# KiCad board Zx50 Bus Probe_RevA.kicad_pcb (continued)
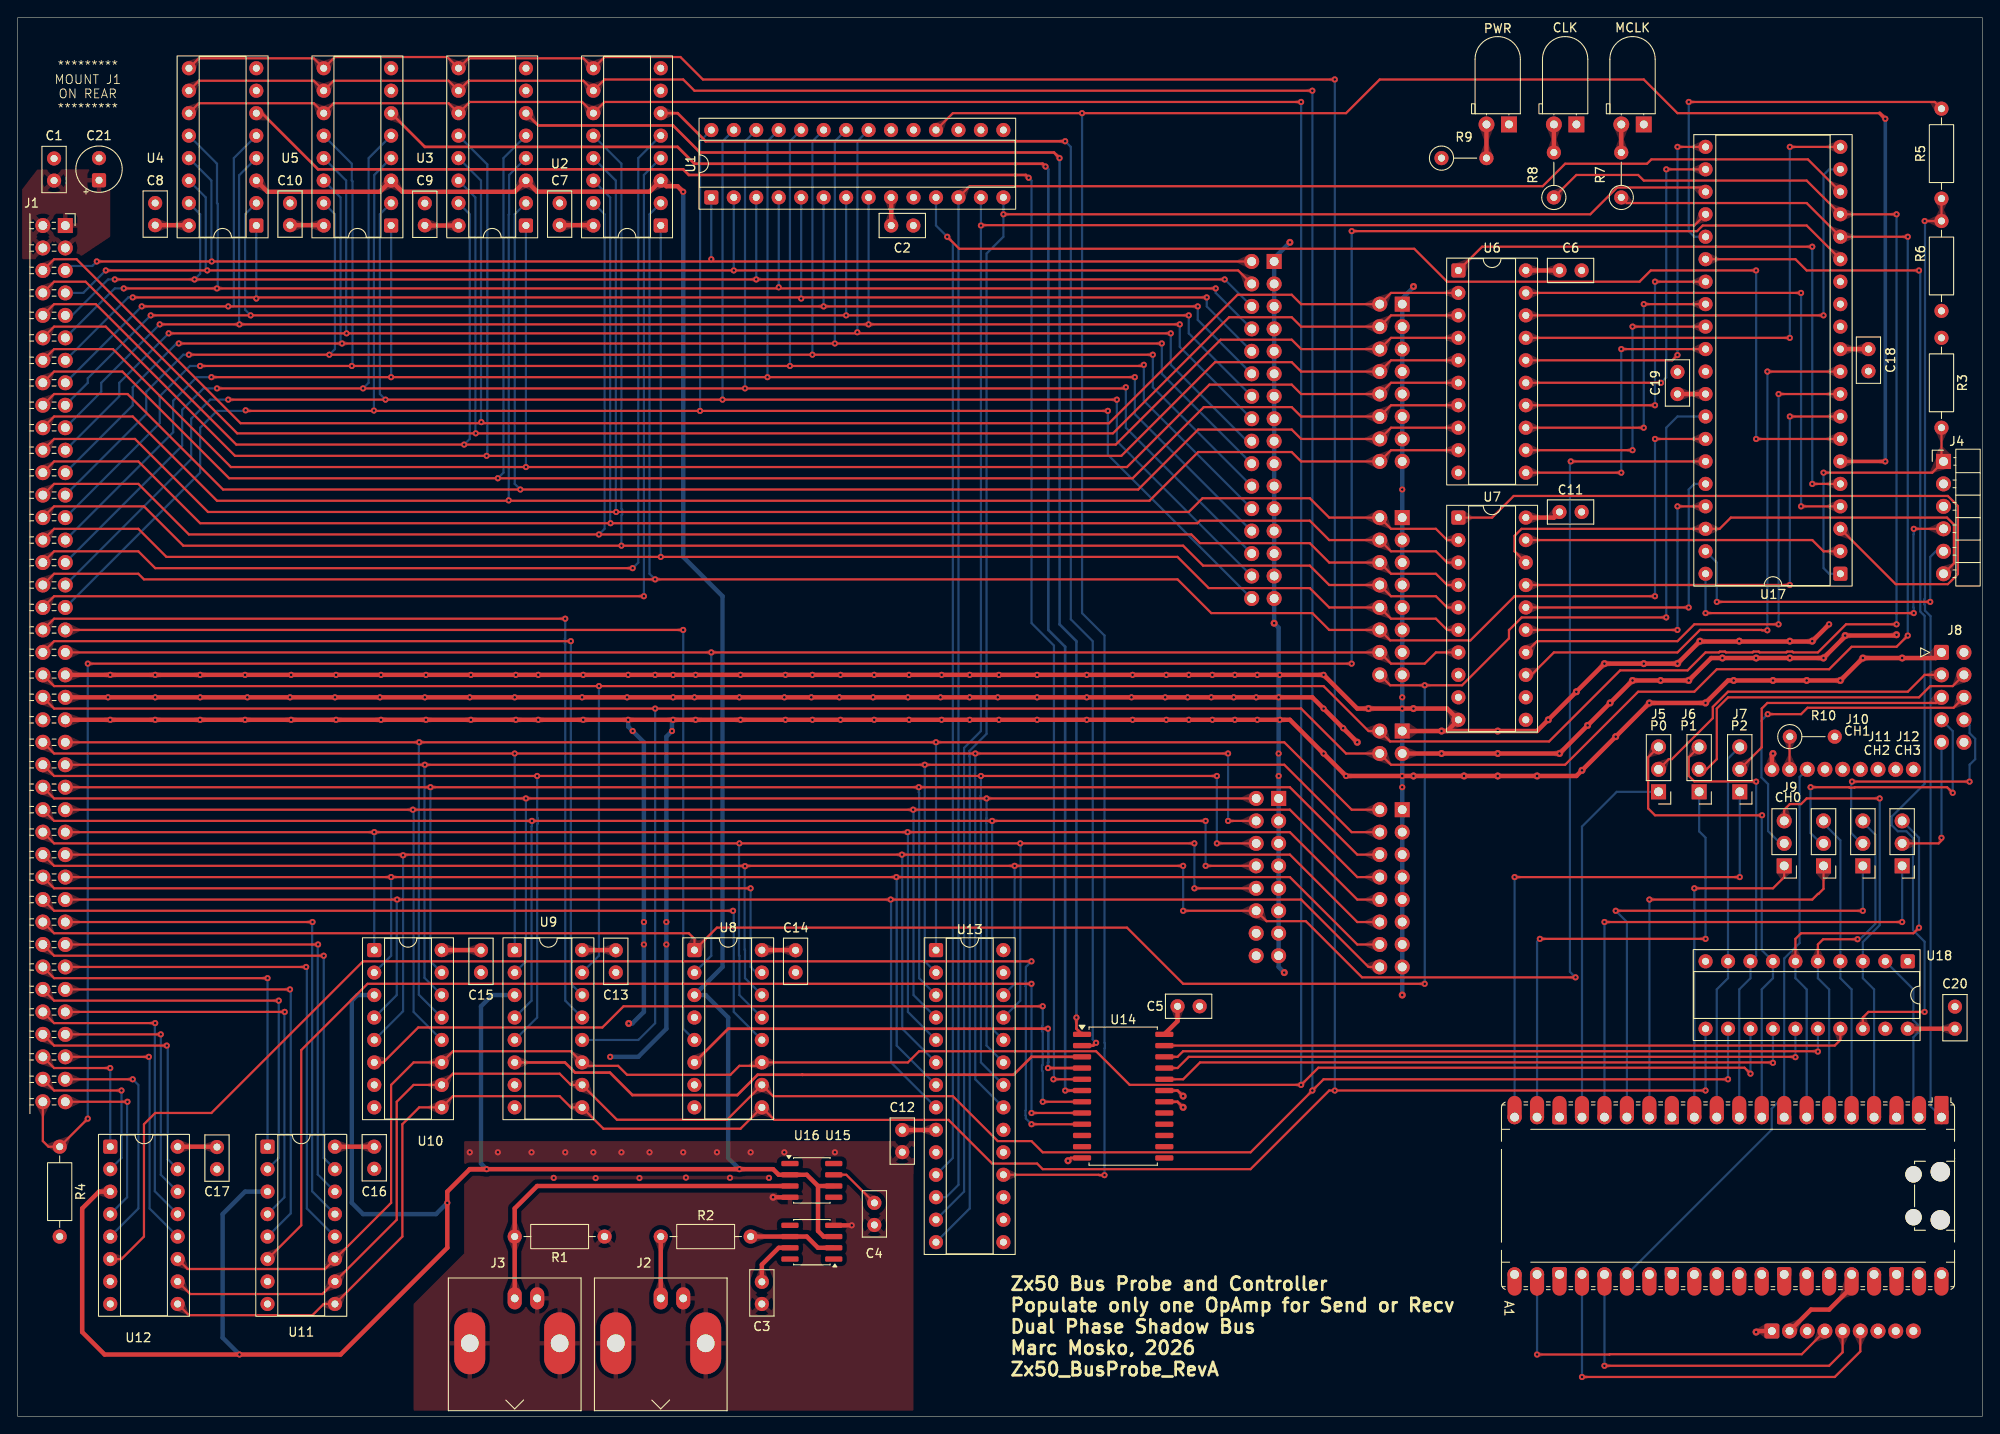
[diagram p0: board, top side]
## Nets
+5V: C1.1 C2.1 C3.1 C4.1 C5.2 C6.1 C7.2 C8.2 C9.2 C10.2 C11.1 C12.1 C13.2 C14.2 C15.2 C16.2 C17.2 C18.1 C19.1 C20.2 C21.1 J1.1 J1.2 J1.3 J1.4 J4.2 R3.1 R4.2 R9.1 R10.2 U1.9 U2.16 U3.16 U4.16 U5.16 U6.20 U7.20 U8.16 U9.16 U10.16 U11.16 U12.16 U13.9 U13.15 U14.24 U15.7 U16.7 U17.11 U17.32 U18.20
/3V3_DISPL: A1.36 LCD1.2
GND: A1.3 A1.8 A1.13 A1.18 A1.23 A1.28 A1.38 C1.2 C2.2 C3.2 C4.2 C5.1 C6.2 C7.1 C8.1 C9.1 C10.1 C11.2 C12.2 C13.1 C14.1 C15.1 C16.1 C17.1 C18.2 C19.2 C20.1 C21.2 D1.1 D2.1 D3.1 J1.41 J1.43 J1.45 J1.46 J2.2 J3.2 J4.3 J8.1 J8.2 J8.10 J15.1a J15.2a J15.3a J15.4a J15.5a J15.6a J15.7a J15.8a J15.9a J15.10a J15.11a J15.12a J15.13a J15.14a J15.15a J15.16a J16.1a J16.2a J16.3a J16.4a J16.5a J16.6a J16.7a J16.8a J17.1a J17.2a J17.3a J17.4a J17.5a J17.6a J17.7a J17.8a J18.1a J18.2a J19.1a J19.2a J19.3a J19.4a J19.5a J19.6a J19.7a J19.8a J20.1a J20.2a J20.3a J20.4a J20.5a J20.6a J20.7a J20.8a LCD1.1 LCD1.18 R1.1 R6.1 U1.10 U1.15 U1.16 U1.17 U2.7 U2.8 U3.7 U3.8 U4.7 U4.8 U5.7 U5.8 U6.10 U7.10 U8.7 U8.8 U9.7 U9.8 U10.7 U10.8 U11.7 U11.8 U12.7 U12.8 U13.10 U13.16 U13.17 U14.12 U14.18 U14.19 U15.4 U16.4 U17.12 U17.31 U18.1 U18.10 U18.19
/A0: J1.5 J15.1b U1.1 U4.13
/A1: J1.7 J15.2b U1.2 U4.14
/A2: J1.9 J15.3b U1.3 U4.15
/A3: J1.11 J15.4b U1.4 U4.12
/A4: J1.13 J15.5b U1.5 U4.1
/A5: J1.15 J15.6b U1.6 U4.5
/A6: J1.17 J15.7b U1.7 U4.2
/A7: J1.19 J15.8b U1.8 U4.4
/A8: J1.21 J15.9b U1.21 U5.13
/A9: J1.23 J15.10b U1.22 U5.14
/A10: J1.25 J15.11b U1.23 U5.15
/A11: J1.27 J15.12b U1.24 U5.12
/A12: J1.29 J15.13b U1.25 U5.1
/A13: J1.31 J15.14b U1.26 U5.5
/A14: J1.33 J15.15b U1.27 U5.2
/A15: J1.35 J15.16b U1.28 U5.4
/AN: U2.3 U3.3 U4.3 U5.3 U8.3 U9.3 U10.3 U11.3 U12.3 U15.3 U16.2 U16.6
/AUX: J1.80 R4.1 U17.15
/BK_LGT: LCD1.17 R10.1
/CHIP0: U14.23 U18.17
/CHIP1: U14.22 U18.16
/CHIP2: U14.21 U18.15
/CHIP3: U14.20 U18.14
/CLK: J1.42 J18.1b R8.1 U9.15 U17.17
/D0: J1.6 J16.1b U3.13 U6.2
/D1: J1.8 J16.2b U3.14 U6.3
/D2: J1.10 J16.3b U3.15 U6.4
/D3: J1.12 J16.4b U3.12 U6.5
/D4: J1.14 J16.5b U3.1 U6.6
/D5: J1.16 J16.6b U3.5 U6.7
/D6: J1.18 J16.7b U3.2 U6.8
/D7: J1.20 J16.8b U3.4 U6.9
/DISP_CS: A1.22 LCD1.4
/G0: J1.63 U11.13
/G1: J1.65 U11.14
/G2: J1.66 U11.15
/G3: J1.67 U11.12
/G4: J1.68 U11.1
/G5: J1.69 U11.5
/G6: J1.70 U11.2
/G7: J1.71 U11.4
/G8: J1.72 U12.13
/G9: J1.73 U12.14
/G10: J1.74 U12.15
/G11: J1.75 U12.12
/G12: J1.76 U12.1
/G13: J1.77 U12.5
/G14: J1.78 U12.2
/G15: J1.79 U12.4
/IEI: J1.37 U8.5
/IEO: J1.38 U9.13
/MCLK: J1.44 J18.2b R7.1 U9.12 U17.16
/MCLR_N: J4.1 R3.2 U17.1
/PGC: J4.5 U17.39
/PGD: J4.4 U17.40
/PORT0: U2.11 U3.11 U4.11 U5.11 U8.11 U9.11 U10.11 U11.11 U12.11 U18.13
/PORT1: U2.10 U3.10 U4.10 U5.10 U8.10 U9.10 U10.10 U11.10 U12.10 U18.12
/PORT2: U2.9 U3.9 U4.9 U5.9 U8.9 U9.9 U10.9 U11.9 U12.9 U18.11
/RA0: U7.19 U17.2
/RA1: U7.1 U17.3
/RA2: U6.19 U17.4
/RA3: U6.1 U17.5
/RA4: U1.18 U13.18 U17.6
/RA5: U1.11 U13.11 U17.7
/RB3: U7.16 U17.36
/RB4: U7.15 U17.37
/RB5: J4.6 U7.18 U17.38
/RD0: U6.18 U17.19
/RD1: U6.17 U17.20
/RD2: U6.16 U17.21
/RD3: U6.15 U17.22
/RD4: U6.14 U17.27
/RD5: U6.13 U17.28
/RD6: U6.12 U17.29
/RD7: U6.11 U17.30
/RE0: U7.17 U17.8
/RE1: U7.14 U17.9
/RE2: U7.13 U17.10
/RX: U17.26 U18.18
/SCK: U1.12 U13.12 U17.18
/SD0: J1.47 J19.1b U10.13 U13.1
/SD1: J1.49 J19.2b U10.14 U13.2
/SD2: J1.51 J19.3b U10.15 U13.3
/SD3: J1.53 J19.4b U10.12 U13.4
/SD4: J1.55 J19.5b U10.1 U13.5
/SD5: J1.57 J19.6b U10.5 U13.6
/SD6: J1.59 J19.7b U10.2 U13.7
/SD7: J1.61 J19.8b U10.4 U13.8
/SDI: U1.14 U13.14 U17.23
/SDO: U1.13 U13.13 U17.24
/SEL0: U3.6 U14.1
/SEL1: U2.6 U14.2
/SEL2: U9.6 U14.3
/SEL3: U8.6 U14.4
/SEL4: U4.6 U14.5
/SEL5: U5.6 U14.6
/SEL6: U10.6 U14.7
/SEL7: U11.6 U14.8
/SEL8: U12.6 U14.9
/SH_RW: J1.54 J20.4b U9.4 U13.24
/SPI_SCK: A1.24 LCD1.6
/SPI_TX: A1.25 LCD1.5
/TX: R5.2 U17.25
/~BUSAK~: J1.62 U8.12
/~BUSRQ~: J1.60 U8.15
/~HALT~: J1.40 U9.14
/~INT~: J1.64 J17.8b U8.1 U17.33
/~IORQ~: J1.28 J17.4b U2.12 U7.5
/~M1~: J1.30 J17.5b U2.1 U7.6
/~MREQ~: J1.26 J17.3b U2.15 U7.4
/~NMI~: J1.36 U2.4
/~RD~: J1.22 J17.1b U2.13 U7.2
/~RESET~: J1.39 J17.7b U7.7 U8.2
/~RFSH~: J1.32 U2.5
/~SH_BUSY~: J1.58 J20.6b U8.14 U13.26 U17.35
/~SH_DONE~: J1.56 J20.5b U8.13 U13.25
/~SH_EN~: J1.52 J20.1b U9.2 U13.23
/~SH_INC~: J1.50 J20.3b U9.5 U13.22
/~SH_STB~: J1.48 J20.2b U9.1 U13.21
/~WAIT~: J1.34 J17.6b U2.2 U17.34
/~WR~: J1.24 J17.2b U2.14 U7.3
Net-(A1-GPIO0): A1.1 R5.1 R6.2
Net-(A1-GPIO1): A1.2 U18.2
Net-(A1-GPIO2): A1.4 J9.3 U18.3
Net-(A1-GPIO3): A1.5 J10.3 U18.4
Net-(A1-GPIO4): A1.6 J11.3 U18.5
Net-(A1-GPIO5): A1.7 J12.3 U18.6
Net-(A1-GPIO6): A1.9 J5.3 U18.7
Net-(A1-GPIO7): A1.10 J6.3 U18.8
Net-(A1-GPIO8): A1.11 J7.3 U18.9
Net-(A1-GPIO9): A1.12 J9.1
Net-(A1-GPIO10): A1.14 J10.1
Net-(A1-GPIO11): A1.15 J11.1
Net-(A1-GPIO12): A1.16 J12.1
Net-(A1-GPIO13): A1.17 J5.1
Net-(A1-GPIO14): A1.19 J6.1
Net-(A1-GPIO15): A1.20 J7.1
Net-(A1-GPIO20): A1.26 LCD1.16
Net-(D1-A): D1.2 R7.2
Net-(D2-A): D2.2 R8.2
Net-(D3-A): D3.2 R9.2
Net-(J2-In): J2.1 R2.1
Net-(J3-In): J3.1 R1.2 U16.3
Net-(J5-Pin_2): J5.2 J8.3
Net-(J6-Pin_2): J6.2 J8.4
Net-(J7-Pin_2): J7.2 J8.5
Net-(J8-Pin_6): J8.6 J9.2
Net-(J10-Pin_2): J8.7 J10.2
Net-(J11-Pin_2): J8.8 J11.2
Net-(J12-Pin_2): J8.9 J12.2
Net-(U15--): R2.2 U15.2 U15.6

Pads without a net: A1 21 27 29 30 31 32 33 34 35 37 39 40; J20 7b 8b; LCD1 3 7 8 9 10 11 12 13 14 15; U1 19 20; U7 8 9 11 12; U8 4; U13 19 20 27 28; U14 10 11 13 14 15 16 17; U15 1 5 8; U16 1 5 8; U17 13 14

## Via types
v1: diameter 0.7, hole 0.3, Top to Bottom, 397 vias
v2: diameter 0.8, hole 0.3, Top to Bottom, 54 vias

## Routing (per net, layer and track width the routed paths; a pad name or vN(x,y) marks a point on that pad's centre or on a via; arc(x,y) is an arc through that point)
+5V: length 78.1
  Top w0.25: C4.1 93.67,27.31 U16.7
  Top w0.5: U10.16 52.35,52.7 ; C2.1 98.75,137.78 ; U3.16 46.66,134.62 46.64,134.64 C9.2 ; U11.16 C16.2 ; C12.1 103.79,32.36 ; C3.1 84.12,17.14 86.03,19.05 U15.7 ; U9.16 67.59,52.7 ; U14.24 131.11,44.67 C5.2 ; U17.11 C18.1 ; C20.2 213.66,43.81 ; U7.20 173.66,101.6 C11.1 ; U12.16 22.49,30.48 ; U6.20 C6.1 ; C10.2 34.55,134.66 ; C7.2 65.03,134.66 ; U8.16 87.91,52.7 ; C19.1 U17.32 ; C8.2 19.31,134.66
/3V3_DISPL: length 9.1
  Top w0.5: 207.31,14.6 204.77,12.06 202.72,12.06 LCD1.2
GND: length 902.8
  Top w0.25: v2(160.96,77.47) 161.59,77.47
  Top w0.3: v2(118.73,28.89) 119.05,29.21 120.32,29.21 ; v2(131.75,36.19) 131.11,36.83 U14.19 ; U14.18 131.11,35.56 v2(131.75,34.92)
  Top w0.5: U16.4 v2(85.39,24.76) ; v2(151.43,76.2) v1(149.85,77.79) 146.35,81.28 v1(142.54,81.28) J1.43 ; J8.1 216.84,85.72 v2(208.58,85.72) v2(206.04,83.18) 193.34,83.18 v2(190.8,80.64) v2(184.45,80.64) 176.2,72.39 v1(150.16,72.39) v1(147.62,74.93) 143.81,78.74 v1(142.67,78.74) v1(81.71,78.74) v1(76.63,78.74) v1(74.09,78.74) v1(69.01,78.74) v1(63.93,78.74) v1(58.85,78.74) v1(56.31,78.74) v1(51.23,78.74) v1(46.15,78.74) v1(41.07,78.74) v1(35.99,78.74) v1(30.91,78.74) v1(25.7,78.74) v1(20.62,78.74) v1(15.54,78.74) v1(10.46,78.74) J1.45 ; v2(198.42,74.93) 198.3,74.8 LCD1.18 ; 161.59,77.47 U7.10 161.59,80.01 v2(152.7,80.01) 151.43,80.01 v1(147.62,83.82) v1(20.62,83.82) v1(15.54,83.82) v1(10.46,83.82) J1.41 ; J18.2a v2(174.29,74.93) v2(182.55,83.18) v2(188.9,83.18) 191.44,85.72 v2(204.14,85.72) 206.68,88.27 v2(206.59,88.27) 212.39,88.27 v2(212.39,88.35) ; v2(196.52,9.53) 196.63,9.64 LCD1.1 ; U15.4 v1(94.28,21.59) ; J18.1a 171.75,77.47 v2(179.37,85.09) v2(187.63,85.09) v2(190.17,87.63) 190.21,87.59 202.83,87.59 v1(204.77,89.53)
  Bottom w0.5: v2(69.07,44.41) 69.48,44.41 70.79,45.72 v1(70.79,53.34) v1(70.79,55.88) 70.79,76.2 v1(69.52,77.47) 69.01,77.98 v1(69.01,78.74) ; v2(156.51,47.62) v1(156.51,71.12) v1(156.51,72.39) v1(156.51,80.01) v1(156.51,81.28) v1(156.51,104.77) J16.1a 156.51,126.36 157.78,127.63 v2(157.78,127.72) ; v1(66.98,40.64) 70.15,40.64 73.33,43.81 v1(73.33,53.34) v1(73.33,55.88) 73.33,76.83 v1(73.96,77.47) 73.96,78.61 v1(74.09,78.74) 73.96,78.74 ; 142.04,130.94 v2(143.81,132.72) ; v2(143.18,50.16) 142.54,50.8 J20.1a v1(142.54,72.39) v1(142.54,74.93) 142.54,89.15 v2(142.04,89.66) J15.1a
  vias: v1(10.21,81.28) v1(15.54,81.28) v1(20.62,81.28) v1(25.7,83.82) v1(25.96,81.28) v1(30.78,81.28) v1(30.91,83.82) v1(35.86,81.28) v1(35.99,83.82) v1(40.94,81.28) v1(41.07,83.82) v1(46.02,81.28) v1(46.15,83.82) v1(51.1,81.28) v1(51.1,29.84) v1(51.23,83.82) v1(54.28,29.84) v1(56.18,81.28) v1(56.31,83.82) v1(58.09,29.84) v1(58.85,83.82) v1(60.59,26.95) v1(61.9,29.84) v1(63.8,81.28) v1(63.93,83.82) v1(65.07,29.84) v1(65.33,26.93) v1(68.25,29.84) v1(68.88,81.28) v1(69.01,83.82) v1(70.29,26.94) v1(71.42,29.84) v1(72.06,83.82) v1(74.09,83.82) v1(74.09,81.28) v1(75.23,29.84) v1(75.54,26.99) v1(76.5,81.28) v1(76.63,83.82) v1(79.04,29.84) v1(80.52,26.97) v1(81.58,81.28) v1(81.71,83.82) v1(82.85,29.84) v1(84.93,26.96) v1(86.66,81.28) v1(86.66,29.84) v1(86.79,83.82) v1(86.79,78.74) v1(89.71,81.28) v1(89.84,83.82) v1(89.84,78.74) v1(92.38,29.84) v1(92.89,81.28) v1(93.01,83.82) v1(93.01,78.74) v1(96.7,81.28) v1(96.82,83.82) v1(96.82,78.74) v1(100.63,81.28) v1(100.76,83.82) v1(100.76,78.74) v1(104.32,81.28) v1(104.44,83.82) v1(104.44,78.74) v1(107.62,83.82) v1(107.62,81.28) v1(107.62,78.74) v1(110.79,81.28) v1(110.92,83.82) v1(110.92,78.74) v1(115.24,83.82) v1(115.24,81.28) v1(115.24,78.74) v1(120.85,83.82) v1(120.85,81.28) v1(120.85,78.74) v1(125.91,81.28) v1(126.03,83.82) v1(126.03,78.74) v1(129.72,81.28) v1(129.84,83.82) v1(129.84,78.74) v1(132.26,81.28) v1(132.38,83.82) v1(132.38,78.74) v1(134.92,81.28) v1(135.05,83.82) v1(135.05,78.74) v1(137.46,81.28) v1(137.59,83.82) v1(137.59,78.74) v1(140,81.28) v1(140.13,83.82) v1(140.13,78.74) v1(142.67,83.82) v1(147.62,80.01) v2(157.78,80.01) v2(157.78,72.39) v2(160.96,74.93) v2(163.5,72.39) v2(167.31,77.47) v2(167.31,74.93) v2(167.31,72.39) v2(171.75,72.39) v2(173.02,78.74) v2(176.2,81.91) v2(176.83,73.02) v2(177.47,78.1) v2(180.01,80.64) v2(180.64,76.83) v2(183.82,85.09) v2(185.72,83.18) v2(192.71,85.72) v2(193.98,83.18) v2(194.61,87.63) v2(196.52,85.72) v2(198.42,83.18) v2(200.33,87.63) v2(200.33,85.72) v2(202.23,83.18) v2(202.87,87.63) v2(213.03,85.72)
/A0: length 153.6
  Top w0.25: v1(8.94,130.56) J15.1b
  Bottom w0.25: U1.1 v1(78.41,130.81) ; v1(21.93,130.56) 21.89,130.6 21.89,139.7 U4.13 ; 5.89,130.05 8.43,130.05 v1(8.94,130.56)
/A1: length 155.1
  Top w0.25: v1(9.96,129.54) 137.97,129.54 J15.2b
  Bottom w0.25: v1(9.96,129.54) 7.42,127 J1.7 ; U4.14 21.26,137.79 21.26,129.7 v1(21.42,129.54) ; 80.95,137.79 v1(80.95,129.54)
/A2: length 155.8
  Top w0.25: v1(10.97,128.52) v1(19.99,128.52) v1(83.49,128.52) v1(136.45,128.52)
  Bottom w0.25: U1.3 v1(83.49,128.52) ; U4.15 20.62,135.89 20.62,129.16 v1(19.99,128.52) ; J1.9 6.15,124.46 10.21,128.52 v1(10.97,128.52) ; v1(136.45,128.52) J15.3b
/A3: length 167.4
  Top w0.25: v1(135.43,127.51) v1(22.53,127.51) v1(11.99,127.51)
  Bottom w0.25: v1(135.43,127.51) 135.43,127 J15.4b ; U1.4 v1(86.03,127.63) ; U4.12 22.53,141.6 22.53,137.16 22.61,137.08 22.61,127.72 22.53,127.63 v1(22.53,127.51) ; J1.11 10.97,127.51 v1(11.99,127.51)
/A4: length 159.9
  Top w0.25: v1(13,126.49) v1(134.42,126.49)
  Bottom w0.25: U1.5 v1(88.57,126.36) ; v1(13,126.49) 12.5,126.49 J1.13 ; U4.1 v1(26.97,126.36) ; J15.5b 134.42,125.48 v1(134.42,126.49)
/A5: length 175
  Top w0.25: v1(14.02,125.48) v1(91.11,125.48) v1(133.4,125.48)
  Bottom w0.25: v1(23.8,125.48) 24.35,125.48 24.43,125.56 24.43,142.24 U4.5 ; v1(14.02,125.48) J1.15 ; J15.6b 133.4,123.95 v1(133.4,125.48) ; U1.6 v1(91.11,125.48)
/A6: length 170.4
  Top w0.25: v1(15.04,124.46) v1(132.38,124.46)
  Bottom w0.25: v1(15.04,124.46) 7.92,117.35 7.92,116.84 J1.17 ; U1.7 v1(93.65,124.46) ; v1(26.34,124.46) 25.7,125.09 25.7,135.89 U4.2 ; v1(132.38,124.46) 132.38,122.43 J15.7b
/A7: length 179.4
  Top w0.25: v1(131.37,123.44) v1(96.19,123.44) v1(25.07,123.44) v1(16.05,123.44)
  Bottom w0.25: J1.19 9.45,115.82 9.45,116.84 v1(16.05,123.44) ; U4.4 25.03,140.29 25.03,123.48 v1(25.07,123.44) ; J15.8b 131.37,120.9 v1(131.37,123.44) ; U1.8 v1(96.19,123.44)
/A8: length 191.4
  Top w0.25: v1(17.07,122.43) v1(130.35,122.43)
  Bottom w0.25: J1.21 11.48,115.32 11.48,116.84 v1(17.07,122.43) ; U1.21 94.92,144.14 v1(94.92,122.55) ; v1(130.35,122.43) 130.35,118.87 138.99,110.24 ; U5.13 37.13,139.7 37.13,122.47 v1(37.17,122.43)
/A9: length 193.1
  Top w0.25: v1(129.34,121.28) v1(36.67,121.28) v1(18.21,121.28)
  Bottom w0.25: J15.10b 129.34,117.86 v1(129.34,121.28) ; J1.23 13,114.3 13,116.33 17.96,121.28 v1(18.21,121.28) ; v1(92.38,121.28) 92.38,144.14 U1.22 ; U5.14 36.5,137.79 36.5,121.45 v1(36.67,121.28) 36.54,121.41
/A10: length 194.3
  Top w0.25: v1(128.32,120.01) v1(19.35,120.01)
  Bottom w0.25: J15.11b 128.32,116.33 v1(128.32,120.01) ; v1(89.84,120.01) 89.84,144.14 U1.23 ; J1.25 14.53,113.28 14.53,115.82 18.72,120.01 v1(19.35,120.01) ; U5.15 35.86,135.89 35.86,120.65 v1(35.23,120.01)
/A11: length 206.8
  Top w0.25: v1(20.62,118.75) 127.18,118.75 v1(127.3,118.87)
  Bottom w0.25: v1(37.77,118.75) 37.85,118.83 37.85,139.62 37.77,139.7 37.77,141.6 U5.12 ; J15.12b 127.3,114.81 v1(127.3,118.87) ; J1.27 16.05,112.27 16.05,115.32 19.48,118.75 v1(20.62,118.75) ; U1.24 87.3,144.14 v1(87.3,118.75)
/A12: length 199.1
  Top w0.25: v1(21.89,117.47) v1(126.29,117.47)
  Bottom w0.25: v1(126.29,117.47) 126.29,113.28 J15.13b ; J1.29 17.58,111.25 17.58,114.81 20.24,117.47 v1(21.89,117.47) ; U5.1 v1(42.21,117.47) ; U1.25 84.76,144.14 v1(84.76,117.47)
/A13: length 214.8
  Top w0.25: v1(22.53,116.2) 125.14,116.2 v1(125.27,116.33)
  Bottom w0.25: v1(125.27,116.33) 125.27,111.76 J15.14b ; v1(82.22,116.2) 82.22,144.14 U1.26 ; U5.5 39.67,142.24 39.67,116.84 v1(39.04,116.2) ; v1(22.53,116.2) 21,116.2 18.59,113.79 18.59,109.73 J1.31
/A14: length 210.5
  Top w0.25: v1(23.8,114.94) v1(124.26,114.94)
  Bottom w0.25: U5.2 40.94,135.89 40.94,115.57 v1(41.58,114.94) ; v1(23.8,114.94) 21.77,114.94 19.61,112.78 19.61,108.2 J1.33 ; 80.95,145.41 79.68,144.14 v1(79.68,114.94) ; v1(124.26,114.94) 124.26,110.24 J15.15b
/A15: length 219.6
  Top w0.25: v1(25.77,113.73) 25.83,113.66 v1(123.24,113.66)
  Bottom w0.25: J1.35 20.62,106.68 20.62,111.76 22.53,113.66 25.7,113.66 v1(25.77,113.73) ; J15.16b 123.24,108.71 v1(123.24,113.66) ; v1(40.27,113.71) 40.27,133.31 40.31,133.35 40.31,140.33 U5.4 ; U1.28 77.14,144.14 v1(77.14,113.66)
/AN: length 377.9
  Top w0.5: 51.1,27.94 v1(53.01,27.94) ; 51.1,27.94 48.56,25.4 48.56,19.05 36.5,6.98 9.83,6.98 7.29,9.53 7.29,23.5 9.19,25.4 U12.3 ; 51.1,27.94 v1(81.58,27.94) 85.39,27.94 86.03,27.31 U16.2 89.2,27.31 90.47,26.03 ; v1(75.23,138.43) 74.6,139.06 73.33,139.06 U2.3 71.44,138.45 58.7,138.45 U3.3 56.18,138.43 43.48,138.43 U5.3 40.94,138.43 28.24,138.43 U4.3 ; U15.3 91.11,20.32 90.47,20.95 90.47,26.03 ; 90.47,26.03 U16.6
  Bottom w0.5: U11.3 25.7,25.4 23.16,22.86 23.16,8.89 v1(25.07,6.98) ; v1(53.01,27.94) 52.37,28.57 52.37,46.35 53.64,47.62 U9.3 ; v1(81.58,27.94) 80.31,29.21 80.31,45.08 77.77,47.62 U8.3 79.68,50.8 79.68,92.71 75.23,97.16 v1(75.23,138.43) ; U10.3 38.4,47.62 37.77,46.99 37.77,24.13 39.04,22.86 47.29,22.86 v1(48.56,24.13)
/AUX: length 311.4
  Top w0.25: J1.80 2.84,31.11 3.48,30.48 R4.1 v1(7.92,33.66) ; U17.15 202.23,134.62 190.48,134.62 189.85,133.98 v1(150.8,133.98) ; v1(150.8,85.09) v1(7.92,85.09)
  Bottom w0.25: v1(7.92,33.66) v1(7.92,85.09) ; v1(150.8,85.09) v1(150.8,133.98)
/BK_LGT: length 3
  Top w0.25: 200.3,76.17 LCD1.17
/CHIP0: length 78
  Top w0.25: 206.04,43.81 206.04,42.54 205.41,41.91 U14.23
/CHIP1: length 76.7
  Top w0.25: 203.5,41.27 131.75,41.27 131.11,40.64 U14.22
  Bottom w0.25: 203.5,43.81 v1(203.5,41.23)
/CHIP2: length 75.1
  Top w0.25: 200.96,40.64 132.38,40.64 131.11,39.37 U14.21
  Bottom w0.25: 200.96,43.81 v1(200.96,40.6)
/CHIP3: length 73.4
  Top w0.25: 198.42,40 133.65,40 131.75,38.1 U14.20
  Bottom w0.25: 198.42,43.81 v1(198.42,39.96)
/CLK: length 339.2
  Top w0.25: R8.1 176.19,140.33 183.18,140.33 183.82,139.7 202.23,139.7 U17.17 v1(212.39,135.89) ; J1.42 4.11,82.55 147.62,82.55 152.7,77.47 J18.1b 155.15,76.29 173.12,76.29 181.15,84.33 188.77,84.33 190.8,86.36 192.32,86.36 192.41,86.45 193.01,86.45 193.1,86.36 196.13,86.36 196.22,86.45 196.82,86.45 196.91,86.36 199.94,86.36 200.03,86.45 200.63,86.45 200.72,86.36 203.5,86.36 206.68,89.53 v1(212.39,89.53)
  Bottom w0.25: 65.71,82.23 65.71,52.07 U9.15 ; v1(212.39,135.89) v1(212.39,89.53)
  vias: v1(65.71,82.55)
/D0: length 206.1
  Top w0.25: U6.2 155.24,127 J16.1b 145.08,125.73 144.02,126.79 137.89,126.79 123.37,112.27 25.2,112.27 6.65,130.81 4.11,130.81 J1.6
  Bottom w0.25: v1(52.41,112.39) 52.37,112.39 52.37,139.7 U3.13
/D1: length 203.5
  Top w0.25: J1.8 4.11,128.27 7.67,128.27 24.81,111.12 123.81,111.12 136.94,124.25 144.02,124.25 145.08,123.19 J16.2b 155.24,124.46 U6.3
  Bottom w0.25: U3.14 51.74,137.79 51.74,111.12 v1(51.78,111.12)
/D2: length 201.1
  Top w0.25: J1.10 4.11,125.73 8.84,125.73 24.71,109.85 124.13,109.85 135.99,121.71 144.02,121.71 145.08,120.65 J16.3b 155.24,121.92 U6.4
  Bottom w0.25: U3.15 51.1,135.89 51.1,110.49 v1(50.47,109.85)
/D3: length 209.5
  Top w0.25: U6.5 155.24,119.38 J16.4b 145.08,118.11 144.02,119.17 135.35,119.17 124.76,108.58 24.56,108.58 9.96,123.19 4.11,123.19 J1.12
  Bottom w0.25: v1(53.01,108.58) 53.09,108.67 53.09,141.52 U3.12
/D4: length 198.2
  Top w0.25: U6.6 155.24,116.84 J16.5b 145.08,115.57 144.02,116.63 134.72,116.63 125.4,107.31 24.1,107.31 10.77,120.65 4.11,120.65 J1.14
  Bottom w0.25: U3.1 v1(57.45,107.31)
/D5: length 209.9
  Top w0.25: J1.16 4.11,118.11 11.84,118.11 23.9,106.04 126.03,106.04 134.08,114.09 144.02,114.09 145.08,113.03 J16.6b 155.24,114.3 U6.7
  Bottom w0.25: v1(54.28,106.04) 54.91,106.68 54.91,142.24 U3.5
/D6: length 202
  Top w0.25: U6.8 155.24,111.76 J16.7b 145.08,110.49 144.02,111.55 133.45,111.55 126.67,104.77 23.21,104.77 12.42,115.57 4.11,115.57 J1.18
  Bottom w0.25: v1(56.82,104.77) 56.18,105.41 56.18,135.89 U3.2
/D7: length 207.2
  Top w0.25: U6.9 155.24,109.22 J16.8b 145.08,107.95 144.02,109.01 133.45,109.01 127.94,103.5 22.53,103.5 13,113.03 4.11,113.03 J1.20
  Bottom w0.25: v1(55.51,103.55) 55.51,135.85 55.55,135.89 55.55,140.33 U3.4
/DISP_CS: length 42.7
  Top w0.25: LCD1.4 201.68,7.02 179.97,7.02 179.94,6.98 v1(171.75,6.98)
  Bottom w0.25: v1(171.75,6.98) A1.22
/G0: length 62
  Top w0.25: J1.63 v1(33.32,55.88)
  Bottom w0.25: v1(33.32,55.88) 33.28,55.84 33.28,25.44 U11.13
/G1: length 57.3
  Top w0.25: J1.65 v1(33.96,53.34)
  Bottom w0.25: v1(33.96,53.34) 33.92,53.3 33.92,27.35 U11.14
/G2: length 56.9
  Top w0.25: v1(34.59,52.07) 4.11,52.07 J1.66
  Bottom w0.25: v1(34.59,52.07) 34.59,29.21 U11.15
/G3: length 59.1
  Top w0.25: J1.67 v1(32.61,50.8)
  Bottom w0.25: U11.12 32.69,23.5 32.69,50.8 v1(32.61,50.8)
/G4: length 45
  Top w0.25: J1.68 4.11,49.53 v1(28.24,49.53)
  Bottom w0.25: U11.1 v1(28.24,49.53)
/G5: length 54.5
  Top w0.25: J1.69 v1(30.78,48.26)
  Bottom w0.25: v1(30.78,48.26) 30.86,48.18 30.86,22.94 U11.5
/G6: length 46.8
  Top w0.25: J1.70 4.11,46.99 v1(29.51,46.99)
  Bottom w0.25: U11.2 29.51,29.21 v1(29.51,46.99)
/G7: length 48.5
  Top w0.25: J1.71 v1(30.19,45.72)
  Bottom w0.25: v1(30.19,45.72) 30.15,45.72 30.15,24.76 U11.4
/G8: length 35.8
  Top w0.25: v1(15.54,44.45) 4.11,44.45 J1.72
  Bottom w0.25: U12.13 15.5,25.44 15.5,44.41
/G9: length 29.4
  Top w0.25: J1.73 v1(16.18,43.18)
  Bottom w0.25: U12.14 16.18,27.31 v1(16.18,43.18)
/G10: length 28.8
  Top w0.25: J1.74 4.11,41.91 v1(16.85,41.91)
  Bottom w0.25: U12.15 16.96,29.07 16.96,41.77
/G11: length 31.1
  Top w0.25: J1.75 v1(14.83,40.64)
  Bottom w0.25: v1(14.83,40.64) 14.91,40.56 14.91,23.5 U12.12
/G12: length 17
  Top w0.25: v1(10.46,39.37) 4.11,39.37 J1.76
  Bottom w0.25: U12.1 v1(10.46,39.37)
/G13: length 27
  Top w0.25: v1(13,38.1) J1.77
  Bottom w0.25: v1(13,38.1) 13.64,37.46 13.64,23.5 U12.5
/G14: length 18.8
  Top w0.25: v1(11.73,36.83) 4.11,36.83 J1.78
  Bottom w0.25: v1(11.73,36.83) 11.73,29.21 U12.2
/G15: length 20.6
  Top w0.25: v1(12.41,35.56) J1.79
  Bottom w0.25: v1(12.41,35.56) 12.37,35.56 12.37,24.76 U12.4
/IEI: length 116.7
  Top w0.25: J1.37 v1(75.23,88.9)
  Bottom w0.25: 76.5,42.54 75.23,43.81 v1(75.23,88.9)
/IEO: length 105.5
  Top w0.25: v1(61.9,90.17) 4.11,90.17 J1.38
  Bottom w0.25: U9.13 61.9,46.99 61.9,87.31 61.86,87.35 61.86,87.91 61.9,87.95 v1(61.9,90.17)
/MCLK: length 343.9
  Top w0.25: R7.1 181.91,137.16 202.23,137.16 U17.16 v1(213.66,133.35) ; v1(213.66,88.27) 212.39,86.99 207.31,86.99 204.77,84.45 192.07,84.45 189.53,81.91 183.18,81.91 174.93,73.66 155.24,73.66 J18.2b 150.16,74.93 145.08,80.01 4.11,80.01 J1.44
  Bottom w0.25: 63.8,42.54 70.15,42.54 72.06,44.45 v1(72.06,80.01) ; v1(213.66,88.27) v1(213.66,133.35)
/MCLR_N: length 30.6
  Top w0.25: R3.2 217.47,108.18 ; J4.1 216.43,106.68 v1(204.14,106.68)
  Bottom w0.25: v1(204.14,106.68) 204.14,95.88 204.77,95.25 U17.1
/PGC: length 37.2
  Top w0.25: v1(216.2,92.07) v1(192.07,92.07)
  Bottom w0.25: v1(216.2,92.07) 216.2,97.16 216.84,97.79 J4.5 ; U17.39 192.07,96.52 v1(192.07,92.07)
/PGD: length 40.9
  Top w0.25: J4.4 v1(214.34,100.33) ; v1(214.34,90.8) v1(190.8,90.8)
  Bottom w0.25: v1(214.34,90.8) 214.34,91.4 214.3,91.44 214.3,99.69 214.34,99.73 v1(214.34,100.33) ; v1(190.8,90.8) U17.40
/PORT0: length 445.5
  Top w0.25: U9.11 62.53,41.27 49.2,41.27 U10.11 44.75,40 42.21,37.46 42.21,24.13 U11.11 34.74,16.65 19.21,16.65 U12.11 ; v1(195.88,38.73) 195.21,39.41 147.03,39.41 v1(145.08,37.46) 144.92,37.46 144.91,37.47 125.7,37.47 121.9,41.27 101.9,41.27 100.63,40 U8.11 ; U4.11 20.48,148.45 33.47,148.45 U5.11 35.72,148.45 48.71,148.45 U3.11 51.1,148.59 63.8,148.59 U2.11 66.34,148.59 v1(145.08,148.59) ; 64.18,39.62 67.87,39.62 68.88,38.61 80.57,38.61 81.58,39.62 83.74,39.62
  Bottom w0.25: v1(145.08,148.59) v1(145.08,37.46) ; v1(195.88,38.73) 195.88,43.81
/PORT1: length 453.9
  Top w0.25: U12.10 19.5,13.83 34.45,13.83 U11.10 42.85,22.22 42.85,35.56 44.75,37.46 47.93,37.46 49.2,38.73 61.26,38.73 62.53,37.46 63.8,37.46 67.74,33.53 80.19,33.53 84.12,37.46 85.39,36.19 105.71,36.19 110.79,31.11 114.6,31.11 115.87,29.84 139.37,29.84 v1(146.35,36.83) 147.62,38.1 v1(193.34,38.1) ; U4.10 20.48,150.99 33.47,150.99 U5.10 35.72,150.99 48.71,150.99 U3.10 50.96,150.99 63.95,150.99 U2.10 66.34,151.13 75.23,151.13 76.5,149.86 v1(146.35,149.86)
  Bottom w0.25: v1(146.35,36.83) v1(146.35,149.86) ; 193.34,43.81 v1(193.34,38.1)
/PORT2: length 455.4
  Top w0.25: v1(148.89,151.13) 77.46,151.13 74.92,153.67 66.34,153.67 U2.9 63.95,153.53 50.96,153.53 U3.9 48.56,153.67 35.86,153.67 U5.9 33.47,153.53 20.48,153.53 U4.9 ; U12.9 19.35,11.43 33.32,11.43 34.59,12.7 U11.9 43.48,20.32 43.48,33.02 45.39,34.92 U10.9 49.2,36.19 61.26,36.19 62.53,34.92 U9.9 66.22,32.51 81.71,32.51 U8.9 85.54,33.51 105.22,33.51 110.16,28.57 115.24,28.57 115.87,27.94 139.37,27.94 148.26,36.83 v1(190.8,36.83)
  Bottom w0.25: v1(148.89,151.13) v1(148.89,36.83) ; 190.8,43.81 v1(190.8,36.83)
/RA0: length 36.1
  Top w0.25: U7.19 202.87,99.06 204.14,97.79 U17.2
/RA1: length 82
  Top w0.25: U7.1 166.67,101.6 169.12,104.05 218.19,104.05 219.33,102.91 219.33,95.21 218.19,94.07 212.3,94.07 U17.3
/RA2: length 59.7
  Top w0.25: U6.19 v1(201.6,127) ; v1(201.6,102.87) U17.4
  Bottom w0.25: v1(201.6,127) v1(201.6,102.87)
/RA3: length 71.1
  Top w0.25: U6.1 165.55,132.22 v1(202.87,132.22) ; v1(202.87,105.41) U17.5
  Bottom w0.25: v1(202.87,132.22) v1(202.87,105.41)
/RA4: length 287.9
  Top w0.25: U13.18 122.22,27.31 122.26,27.26 v1(122.86,27.26) ; 210.49,147.32 187.63,147.32 183.82,151.13 153.97,151.13 150.16,147.32 105.71,147.32 U1.18
  Top w0.4: v1(211.12,107.95) U17.6 ; 210.49,147.32 v1(211.12,146.69)
  Bottom w0.25: v1(120.32,147.32) 120.32,90.8 122.86,88.27 122.86,42.23 122.9,42.19 122.9,41.63 122.86,41.59 v1(122.86,27.26)
  Bottom w0.4: v1(211.12,146.69) v1(211.12,107.95)
/RA5: length 234.7
  Top w0.25: v1(196.52,129.54) 184.61,129.54 183.34,128.27 161.59,128.27 157.87,131.99 106.44,131.99 v1(105.08,133.35) ; v1(196.52,110.49) U17.7
  Bottom w0.25: U1.11 103.81,134.62 v1(105.08,133.35) 105.71,132.72 105.71,29.21 U13.11 ; v1(196.52,129.54) v1(196.52,110.49)
/RB3: length 33.9
  Top w0.25: U7.16 v1(188.9,91.44)
  Bottom w0.25: U17.36 189.53,105.41 188.9,104.77 v1(188.9,91.44)
/RB4: length 34.3
  Top w0.25: v1(187.63,102.87) U17.37 ; U7.15 v1(187.63,88.9)
  Bottom w0.25: v1(187.63,88.9) v1(187.63,102.87)
/RB5: length 60.4
  Top w0.25: J4.6 218.88,96.43 218.88,100.82 218.1,101.6 193.66,101.6 192.39,100.33 U17.38 170.01,100.33 169.21,99.54 169.21,97.79 U7.18
/RD0: length 51.7
  Top w0.25: U6.18 v1(204.14,124.46)
  Bottom w0.25: U17.19 204.77,140.97 204.14,140.33 v1(204.14,124.46)
/RD1: length 57.2
  Top w0.25: U6.17 v1(200.33,121.92) ; v1(200.33,143.51) U17.20
  Bottom w0.25: v1(200.33,121.92) v1(200.33,143.51)
/RD2: length 44.1
  Top w0.25: U6.16 187.03,119.38 v1(187.63,119.97) ; v1(187.63,143.51) U17.21
  Bottom w0.25: v1(187.63,119.97) v1(187.63,143.51)
/RD3: length 44.1
  Top w0.25: v1(186.36,140.97) U17.22 ; U6.15 v1(185.76,116.84)
  Bottom w0.25: v1(186.36,140.97) 186.36,117.44 v1(185.76,116.84)
/RD4: length 34.3
  Top w0.25: U6.14 v1(185.09,114.3) ; v1(185.09,128.27) U17.27
  Bottom w0.25: v1(185.09,114.3) v1(185.09,128.27)
/RD5: length 34.3
  Top w0.25: v1(183.82,125.73) U17.28 ; U6.13 v1(183.82,111.76)
  Bottom w0.25: v1(183.82,111.76) v1(183.82,125.73)
/RD6: length 34.3
  Top w0.25: U6.12 v1(182.55,109.22) ; v1(182.55,123.19) U17.29
  Bottom w0.25: v1(182.55,109.22) v1(182.55,123.19)
/RD7: length 34.3
  Top w0.25: v1(181.28,120.65) U17.30 ; U6.11 v1(181.28,106.68)
  Bottom w0.25: v1(181.28,106.68) v1(181.28,120.65)
/RE0: length 54.6
  Top w0.25: U7.17 v1(200.33,93.98) ; v1(200.33,113.03) U17.8
  Bottom w0.25: v1(200.33,93.98) v1(200.33,113.03)
/RE1: length 62.9
  Top w0.25: v1(199.06,115.57) U17.9 ; U7.14 171.75,87.63 187.63,87.63 189.53,89.53 v1(199.06,89.53)
  Bottom w0.25: v1(199.06,89.53) v1(199.06,115.57)
/RE2: length 66.3
  Top w0.25: v1(197.79,88.86) 197.19,88.86 197.15,88.9 190.17,88.9 187.63,86.36 173.66,86.36 171.12,83.82 ; v1(197.79,118.11) U17.10
  Bottom w0.25: v1(197.79,88.86) v1(197.79,118.11)
/RX: length 120.9
  Top w0.25: v1(214.93,129.54) 202.23,129.54 200.96,130.81 U17.26 ; v1(215.57,45.72) 209.22,45.72 208.58,45.08 208.58,43.81
  Bottom w0.25: v1(214.93,129.54) 215.08,129.4 215.08,90.98 215.57,90.49 215.57,71.51 211.85,67.8 211.85,66.82 212.54,66.13 213.52,66.13 214.26,65.39 214.26,54.96 215.57,53.65 v1(215.57,45.72)
/SCK: length 217.7
  Top w0.25: U17.18 202.38,142.1 184.68,142.1 184.19,141.6 174.93,141.6 172.39,139.06 107.62,139.06 U1.12
  Bottom w0.25: U13.12 104.94,24.76 106.35,26.17 U1.12
/SD0: length 207.4
  Top w0.25: J19.1b 150.8,68.58 143.18,76.2 v1(103.81,76.2) v1(45.39,76.2) J1.47
  Bottom w0.25: U10.13 45.35,47.67 45.35,76.16 v1(45.39,76.2) ; U13.1 v1(103.81,76.2)
/SD1: length 202.6
  Top w0.25: J1.49 v1(46.02,73.66) v1(102.54,73.66) 143.18,73.66 150.8,66.04 J19.2b
  Bottom w0.25: U10.14 45.98,49.57 45.98,73.62 v1(46.02,73.66) ; v1(102.54,73.66) 102.54,51.43 U13.2
/SD2: length 197.5
  Top w0.25: J19.3b 151.43,63.5 143.81,71.12 v1(101.86,71.12) v1(46.66,71.12) J1.51
  Bottom w0.25: U13.3 101.9,49.53 101.9,70.48 101.86,70.52 v1(101.86,71.12) ; v1(46.66,71.12) 46.66,51.43 U10.15
/SD3: length 203.8
  Top w0.25: J1.53 v1(44.67,68.58) v1(101.23,68.58) 143.81,68.58 151.43,60.96 J19.4b
  Bottom w0.25: v1(44.67,68.58) 44.75,68.58 44.75,45.72 47.93,42.54 ; v1(101.23,68.58) 101.27,68.58 101.27,47.62 U13.4
/SD4: length 189.9
  Top w0.25: J1.55 v1(40.31,66.04) v1(100.59,66.04) 143.81,66.04 151.43,58.42 J19.5b
  Bottom w0.25: v1(100.59,66.04) 100.63,66.04 100.63,45.72 103.81,42.54 ; U10.1 v1(40.31,66.04)
/SD5: length 199.1
  Top w0.25: J19.6b 151.43,55.88 143.81,63.5 v1(99.96,63.5) 43.65,63.5 v1(43.56,63.42) 43.48,63.5 J1.57
  Bottom w0.25: v1(99.96,63.5) 100,63.5 100,43.81 U13.6 ; v1(43.56,63.42) 43.56,45.8 40.31,42.54
/SD6: length 188.7
  Top w0.25: J1.59 v1(42.21,60.96) v1(99.32,60.96) 143.81,60.96 151.43,53.34 J19.7b
  Bottom w0.25: 103.81,37.46 99.36,41.91 99.36,60.96 v1(99.32,60.96) ; U10.2 42.21,52.07 v1(42.21,60.96)
/SD7: length 191.8
  Top w0.25: J1.61 v1(42.89,58.42) v1(98.69,58.42) 145.08,58.42 152.7,50.8 J19.8b
  Bottom w0.25: v1(42.89,58.42) 42.85,58.42 42.85,47.62 U10.4 ; U13.8 98.73,40 98.73,58.42 v1(98.69,58.42)
/SDI: length 202.1
  Top w0.25: v1(111.43,135.89) 177.78,135.89 180.81,138.92 190.31,138.92 U17.23
  Bottom w0.25: 111.43,137.79 v1(111.43,135.89) 111.43,133.35 109.52,131.44 109.52,77.16 107.58,75.21 107.58,74.65 107.62,74.61 107.62,23.5 U13.14
/SDO: length 200.1
  Top w0.25: U17.24 189.57,134.66 108.93,134.66 v1(108.89,134.62)
  Bottom w0.25: U13.13 106.98,25.4 106.98,75.56 108.89,77.47 v1(108.89,134.62) 108.89,137.79
/SEL0: length 162.5
  Top w0.3: v1(119.68,45.08) 119.68,43.81 120.32,43.18 ; U3.6 58.84,145.93 74.08,145.93 77.14,142.88 117.14,142.88 v1(117.78,142.24)
  Bottom w0.3: v1(117.78,142.24) 117.78,89.53 119.68,87.63 v1(119.68,45.08)
/SEL1: length 152.1
  Top w0.3: v1(118.41,144.14) 77.77,144.14 74.6,147.32 U2.6 ; 120.32,41.91 121.59,41.91 v1(121.91,42.23)
  Bottom w0.25: v1(121.91,42.23) 121.52,42.61 121.52,87.63 119.05,90.1 119.05,143.51 v1(118.41,144.14)
/SEL2: length 67.5
  Top w0.3: 120.32,40.64 114.6,40.64 112.58,38.62 88.7,38.62 88.7,38.61 88.69,38.62 83.65,38.62 81.35,36.31 69.49,36.31 66.95,38.85 63.01,38.85 61.86,40 U9.6
/SEL3: length 49.9
  Top w0.3: v1(116.47,39.37) 120.32,39.37 ; U8.6 80.31,43.81 112.62,43.81 112.63,43.83 v1(116.47,43.83)
  Bottom w0.3: v1(116.47,43.83) 116.51,43.79 116.51,40.04 116.47,40 v1(116.47,39.37)
/SEL4: length 196.1
  Top w0.25: v1(117.08,38.1) 120.32,38.1
  Top w0.3: 27.61,147.32 33.96,140.97 75.23,140.97 75.87,140.33 113.97,140.33 v1(114.29,140.02)
  Bottom w0.25: v1(117.08,38.1) 117.14,38.16 117.14,87.13 114.6,89.67 114.6,139.7 v1(114.29,140.02)
/SEL5: length 183.8
  Top w0.3: U5.6 46.02,143.51 74.6,143.51 76.5,141.6 115.87,141.6 v1(116.19,141.29) ; v1(118.41,36.83) 120.32,36.83
  Bottom w0.3: v1(118.41,36.83) 118.41,86.99 116.51,88.9 116.51,140.97 v1(116.19,141.29)
/SEL6: length 93.6
  Top w0.25: v1(115.87,46.35) 68.49,46.35 66.1,43.96 45.28,43.96 41.32,40 U10.6 ; v1(115.87,35.56) 120.32,35.56
  Bottom w0.25: v1(115.87,35.56) 115.87,39.01 115.79,39.09 115.79,39.65 115.87,39.73 115.87,43.46 115.79,43.55 115.79,44.11 115.87,44.19 v1(115.87,46.35)
/SEL7: length 131.2
  Top w0.25: v1(114.6,48.89) 39.55,48.89 32.05,41.4 32.05,21.59 U11.6 ; v1(114.6,34.29) 120.32,34.29
  Bottom w0.25: v1(114.6,48.89) v1(114.6,34.29)
/SEL8: length 150.2
  Top w0.25: v1(114.6,51.43) 39.04,51.43 21.89,34.29 15.54,34.29 14.27,33.02 14.27,20.32 11.73,17.78 U12.6 ; v1(114.6,33.02) 120.32,33.02
  Bottom w0.25: v1(114.6,51.43) 113.97,50.8 113.97,49.22 113.93,49.18 113.93,48.61 113.97,48.57 113.97,34.61 113.93,34.57 113.93,34.01 113.97,33.97 113.97,33.66 v1(114.6,33.02)
/SH_RW: length 191.1
  Top w0.25: J20.4b v1(134.29,62.23) ; v1(134.29,67.31) v1(110.16,67.31) v1(58.13,67.31) 4.11,67.31 J1.54
  Bottom w0.25: 111.43,42.54 110.16,43.81 v1(110.16,67.31) ; v1(58.13,67.31) 58.13,66.71 58.09,66.67 58.09,46.99 U9.4 ; v1(134.29,62.23) v1(134.29,67.31)
/SPI_SCK: length 46.6
  Top w0.25: LCD1.6 208.3,7.34 205.41,4.44 v1(176.83,4.44)
  Bottom w0.25: v1(176.83,4.44) A1.24
/SPI_TX: length 40.3
  Top w0.25: LCD1.5 206.3,7.24 204.77,5.72 v1(179.37,5.72)
  Bottom w0.25: v1(179.37,5.72) A1.25
/TX: length 45.7
  Top w0.25: v1(188.9,148.59) 216.71,148.59 R5.2
  Bottom w0.25: U17.25 189.53,133.35 188.9,133.98 v1(188.9,148.59)
/~BUSAK~: length 94.6
  Top w0.25: J1.62 4.11,57.15 v1(80.87,57.15)
  Bottom w0.25: v1(80.87,57.15) 80.95,57.15 80.95,45.72 84.12,42.54
/~BUSRQ~: length 90.3
  Top w0.25: v1(82.85,59.69) 4.11,59.69 J1.60
  Bottom w0.25: 83.49,50.16 82.85,50.8 v1(82.85,59.69)
/~HALT~: length 100.7
  Top w0.25: v1(62.53,87.63) 4.11,87.63 J1.40
  Bottom w0.25: U9.14 62.53,48.89 v1(62.53,87.63)
/~INT~: length 258.7
  Top w0.25: J17.8b 155.15,82.64 v1(159.05,82.64) 163.28,82.64 168.58,87.94 168.58,88.9 168.6,88.9 170.02,90.31 v1(186.36,90.31) ; J1.64 4.11,54.61 75.87,54.61 76.5,53.97 U8.1 79.04,55.24 125.4,55.24 131.75,48.89 v1(159.05,48.89)
  Bottom w0.25: v1(186.36,90.31) 186.36,111.76 187.63,113.03 U17.33 ; v1(159.05,82.64) v1(159.05,48.89)
/~IORQ~: length 213
  Top w0.25: U7.5 161.59,91.44 160.32,92.71 155.24,92.71 J17.4b 148.26,93.98 146.07,96.17 134,96.17 131.75,98.42 18.72,98.42 14.27,102.87 4.11,102.87 J1.28
  Bottom w0.25: v1(68.25,98.42) 68.25,101.87 68.33,101.95 68.33,102.52 68.25,102.6 68.25,141.6 U2.12
/~M1~: length 202.7
  Top w0.25: U7.6 161.59,88.9 160.32,90.17 155.24,90.17 J17.5b 148.26,91.44 146.07,93.63 134.64,93.63 131.11,97.16 16.81,97.16 13.64,100.33 4.11,100.33 J1.30
  Bottom w0.25: U2.1 v1(72.69,97.16)
/~MREQ~: length 203.5
  Top w0.25: J1.26 4.11,105.41 13.64,105.41 19.35,99.69 132.67,99.69 133.65,98.71 146.07,98.71 148.26,96.52 J17.3b 155.24,95.25 160.32,95.25 161.59,93.98 U7.4
  Bottom w0.25: v1(65.71,99.69) 66.34,100.33 66.34,135.89 U2.15
/~NMI~: length 118.8
  Top w0.25: v1(70.79,92.71) 4.11,92.71 J1.36
  Bottom w0.25: v1(70.79,92.71) 70.79,140.33 U2.4
/~RD~: length 207.6
  Top w0.25: J1.22 4.11,110.49 13.26,110.49 21.51,102.23 132.38,102.23 133.94,103.79 146.07,103.79 148.26,101.6 J17.1b 155.24,100.33 160.32,100.33 161.59,99.06 U7.2
  Bottom w0.25: v1(67.65,102.23) 67.61,102.27 67.61,139.7 U2.13
